# Allegro board PROC048A_BRD.brd (continued)
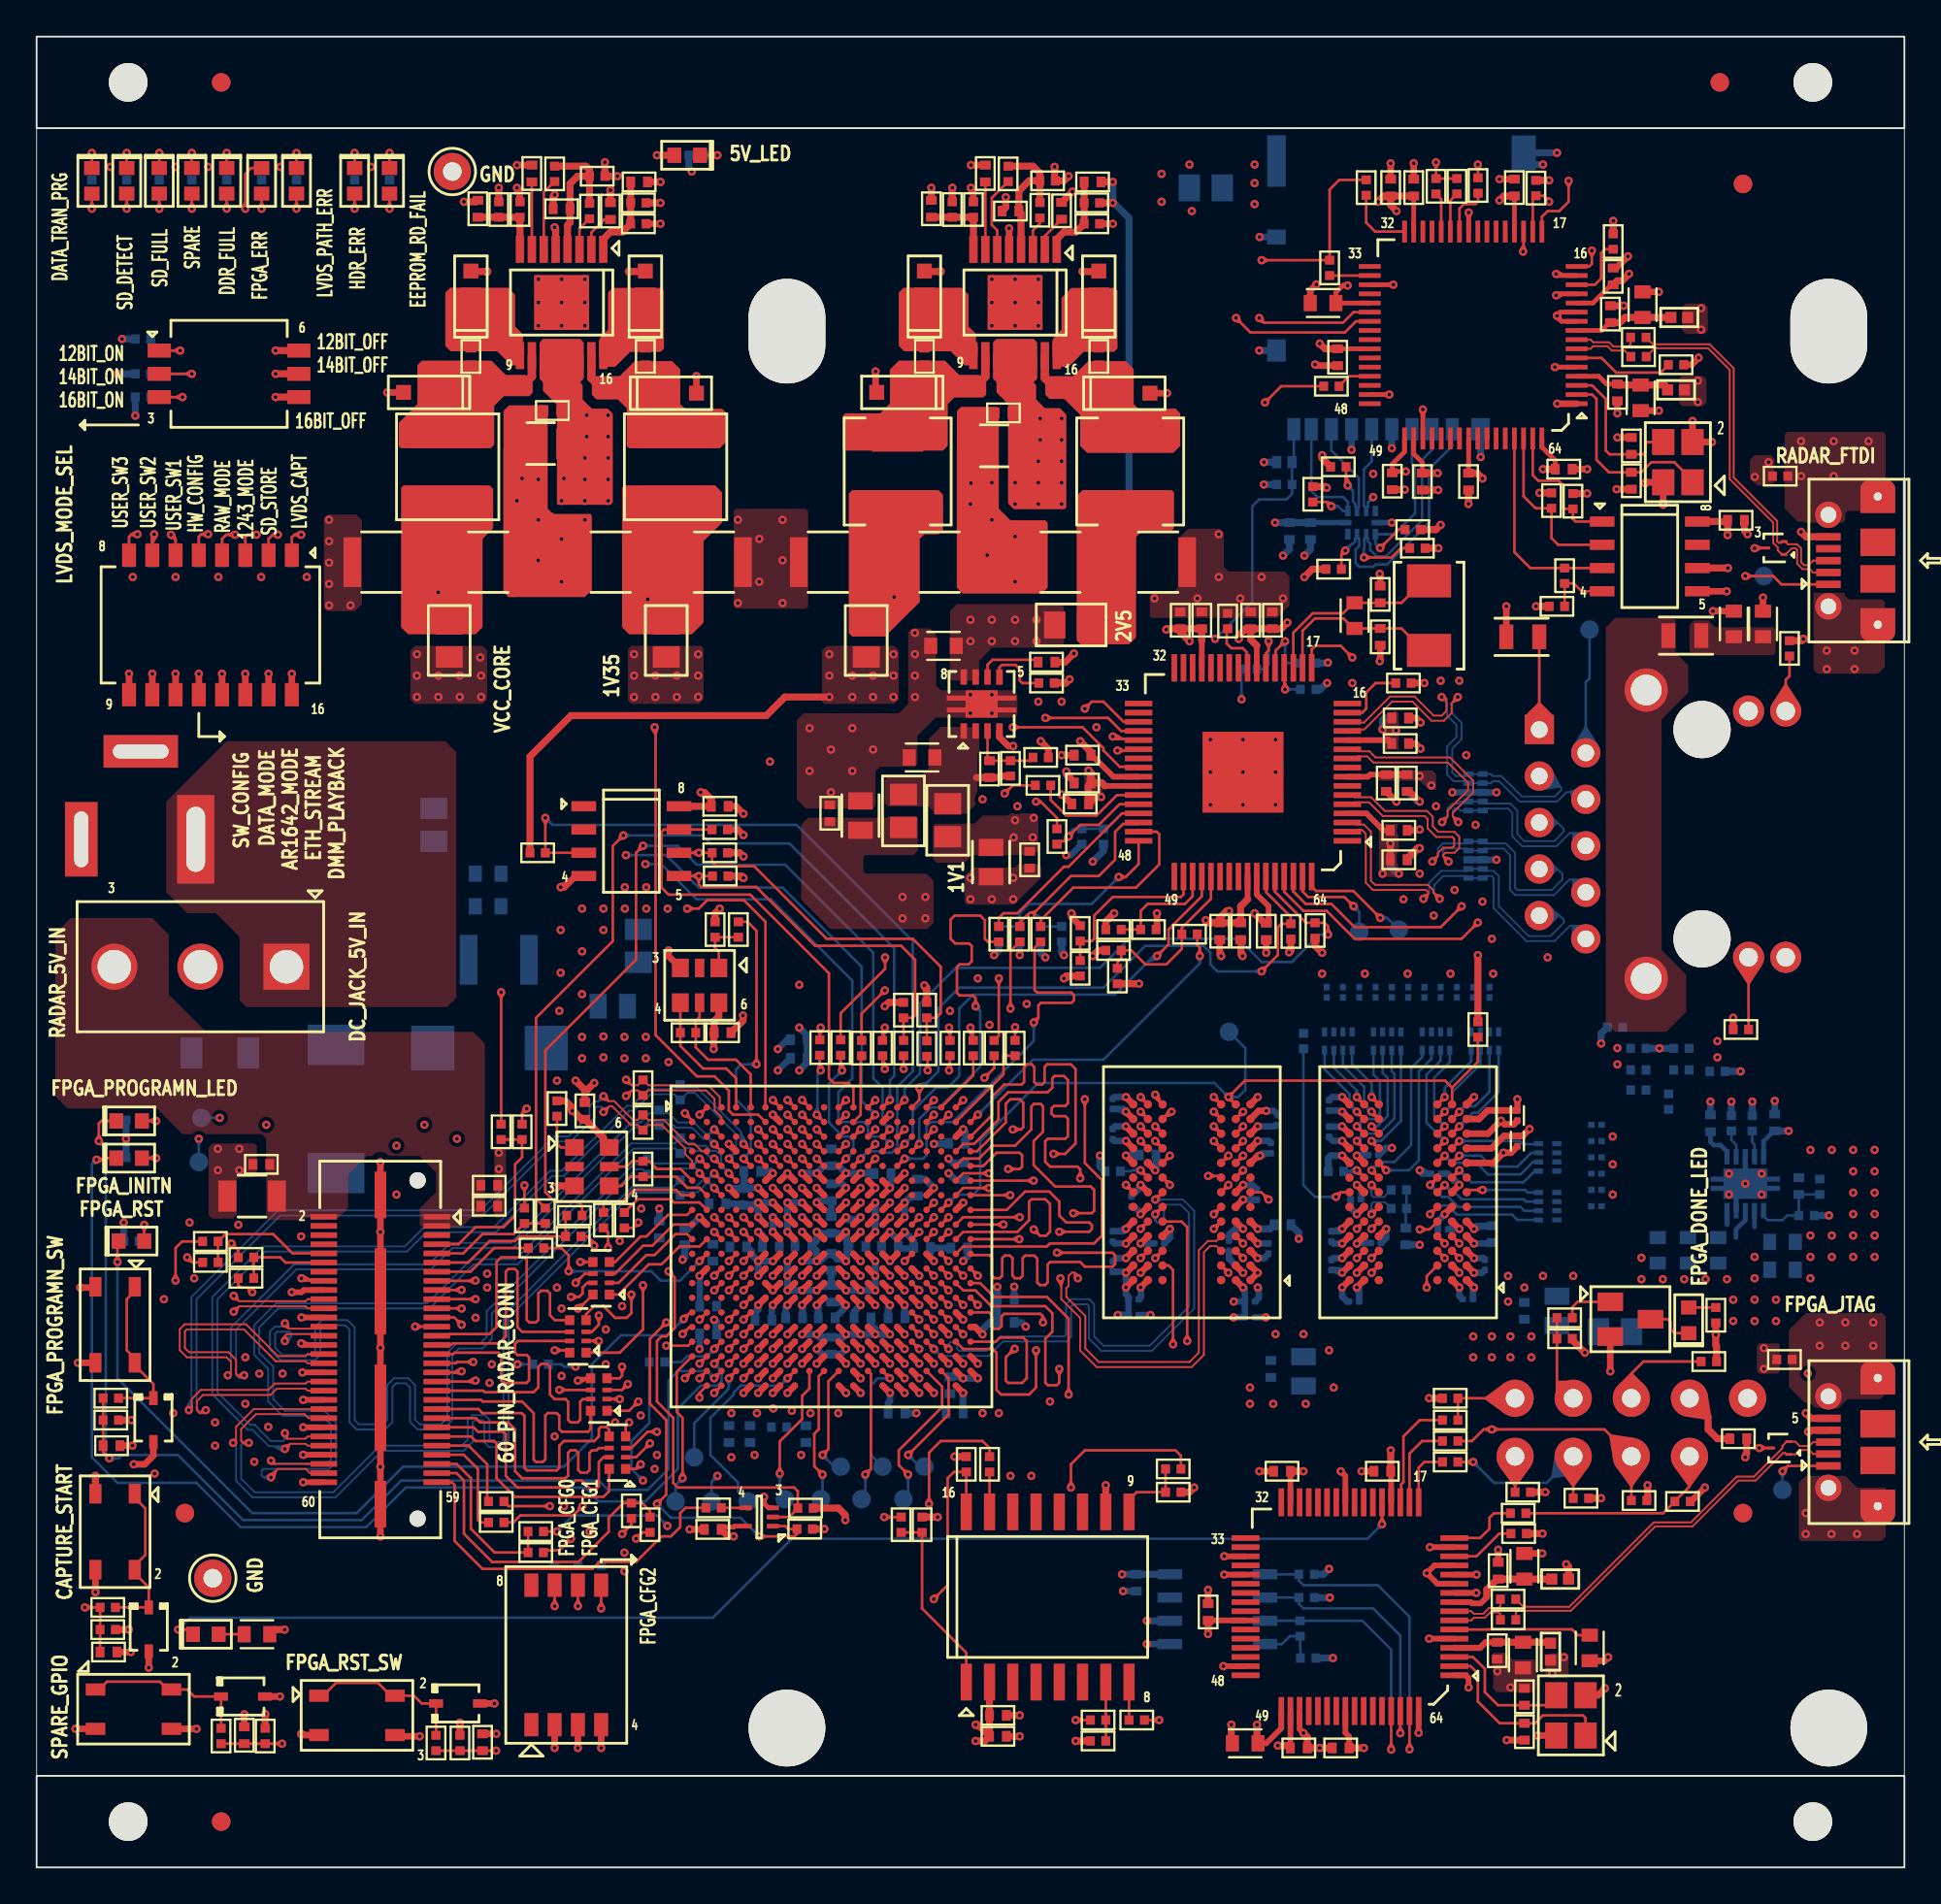
[diagram p0: board, top side]
## Copper pours and planes (outline as drawn; the poured copper is in the pictures) (continued)
1V1 on TOP: 48.94,56.86 48.94,55.07 49.14,54.88 50.68,54.88 51.1,55.29 54.45,55.29 54.7,55.55 54.7,57.45 54.58,57.58 53.18,57.58 53.05,57.45 51.66,57.45 51.22,57.01 49.09,57.01
1V1 on TOP: 73.25,59.99 75.28,59.99 75.41,60.12 76.04,60.12 76.42,59.74 76.42,58.85 76.04,58.85 75.53,59.36 73.25,59.36 73.12,59.48 73.12,59.86
1V1 on BOTTOM: 72.38,63.53 72.61,63.29 72.61,61.9 72.93,61.57 74.19,61.57 74.39,61.77 76.42,61.77 76.55,61.64 76.55,58.97 76.42,58.85 75.66,58.85 75.53,58.97 75.53,59.23 75.41,59.36 73.39,59.36 72.43,58.39 72.43,53.21 70.57,51.35 60.55,51.35 59.53,52.37 59.53,57.32 59.4,57.45 56.48,57.45 56.23,57.2 56.23,56.18 55.85,55.8 49.75,55.8 49.24,56.31 49.24,67.73 50.31,68.79 63.59,68.79 63.92,68.47 63.92,65.13 65.52,63.53 ; 1 cut-out
1V35 on TOP: 36.42,66.59 36.42,63.8 36.16,63.55 32.48,63.55 32.29,63.74 32.29,66.53 32.48,66.72 36.29,66.72
1V35 on BOTTOM: 93.57,36.11 93.57,34.51 93.46,34.4 93.46,32.2 92.24,30.98 86.76,30.98 86.45,30.67 86.45,27.42 86.84,27.03 93.6,27.03 93.97,26.66 95.32,26.66 95.4,26.74 95.4,30.83 95.39,30.84 95.39,31.56 95.09,31.86 95.09,34.72 94.84,34.97 94.33,34.97 94.07,35.23 94.07,36.11 93.95,36.24 93.69,36.24
1V35 on L05_PWR1: 47.08,31.29 47.08,36.5 48.12,37.53 48.12,45.04 46.82,46.33 33.59,46.33 32.61,47.31 32.61,53.85 30.97,55.49 30.97,67.86 31.73,68.62 47.97,68.62 53.61,74.26 99.55,74.26 100.81,73 100.81,42.7 100.98,42.52 100.98,24.96 100.12,24.1 49.62,24.1 48.48,25.24 48.48,28.99 47.1,30.37 47.1,31.27
2V5 on TOP: 74.39,61.01 73.5,61.01 73.5,61.9 73.25,62.15 73.25,62.28 74.14,63.17 74.26,63.17 74.39,63.04
2V5 on TOP: 52.19,66.62 55.89,66.62 56.1,66.84 56.1,68.85 55.94,69.01 50.26,69.01 49.88,68.63 49.88,64.94 50,64.82 51.37,64.82 51.48,64.92 51.48,65.91
2V5 on TOP: 73.25,54.15 73.25,57.07 74.39,57.07 74.39,54.66 74.64,54.4 74.64,54.15 74.52,54.02 73.37,54.02
2V5 on BOTTOM: 73.05,53.66 74.33,53.66 74.5,53.82 74.5,54.47 74.22,54.74 74.22,56.13 74.09,56.27 73.13,56.27 72.94,56.08 72.94,53.77
2V5 on BOTTOM: 30.88,50.92 34.36,50.92 34.77,51.33 34.74,53.51 34.45,53.8 30.92,53.8 30.68,53.56 30.68,51.13
2V5 on L03_SIG1: 48.86,63.8 48.86,72 49.56,72.69 74.03,72.69 74.88,71.84 74.88,53.74 74.33,53.19 63.9,53.19 63.34,53.75 63.34,62.61 62.84,63.11 49.55,63.11
2V5 on L06_PWR2: 49.96,68.31 49.96,65.03 50.36,64.63 63.41,64.63 63.98,65.2 63.98,80.56 63.34,81.2 18.76,81.2 17.56,79.99 17.56,43.04 17.87,42.72 29.94,42.72 30.7,41.96 30.7,35.99 31.72,34.97 40.48,34.97 40.73,35.23 40.73,37.26 39.97,38.02 39.97,50.47 34.38,56.05 34.38,67.99 35.75,69.35 48.91,69.35
2V5_A on TOP (solid shape): 62.11,75.1 62.11,73.15 61.88,72.92 60.29,72.92 60.04,72.66 60.04,67.19 59.66,66.81 57.01,66.81 56.8,67.01 56.8,74.91 57.12,75.23 61.98,75.23
3V3 on TOP (solid shape): 91.45,24.66 91.39,24.5 91.23,24.44 90.11,24.62 90.23,25.66 91.27,25.78
3V3 on TOP: 89.69,81.3 89.69,79.99 89.86,79.82 91,79.82 91.19,80.01 91.19,81.27 91,81.47 89.85,81.47
3V3 on TOP: 82.39,10.59 82.64,10.33 83.53,10.33 83.66,10.46 83.66,11.6 83.53,11.73 82.64,11.73
3V3 on TOP: 90.06,83.76 91.08,83.76 91.27,83.94 91.27,85.25 91.1,85.42 90.06,85.42 89.87,85.23 89.87,83.95
3V3 on TOP: 46.83,63.55 43.02,63.55 42.89,63.67 42.89,66.47 43.15,66.72 46.83,66.72 47.08,66.47 47.08,63.8
3V3 on BOTTOM: 4.57,69.81 4.57,71.26 4.84,71.53 14.77,71.53 15,71.3 15,69.69 14.88,69.57 4.81,69.57
3V3 on BOTTOM: 31.46,15.4 31.46,16.05 31.21,16.3 27.27,16.3 27.15,16.43 27.15,17.45 27.27,17.57 32.23,17.57 32.5,17.3 32.5,15.43 32.4,15.33 31.53,15.33
3V3 on BOTTOM: 2.28,91.84 2.13,91.99 2.13,93.01 2.28,93.16 19.28,93.16 19.28,93.17 20,93.17 20.12,93.05 20.12,92 19.96,91.84
3V3 on L06_PWR2: 1.02,6.02 1.02,93.98 99.3,93.98 100.98,92.3 100.98,6.02
3V3_A on TOP (solid shape): 49.5,74.98 49.5,73.07 49.24,72.82 48.48,72.82 48.23,72.56 48.23,69.11 47.74,68.63 47.73,68.63 46.33,67.23 44.54,67.23 44.35,67.42 44.35,75.04 44.54,75.23 49.24,75.23
5V on TOP (solid shape): 54.58,83.36 54.58,82.95 54.48,82.77 54.45,82.58 54.45,81.1 54.58,80.97 54.58,80.18 55.06,79.7 55.89,79.7 56.23,79.36 56.23,74.29 56.13,74.19 53.36,74.19 53.05,74.5 53.05,79.93 52.42,80.56 52.42,81.18 52.42,81.18 52.42,82.58 52.39,82.77 52.29,82.95 52.29,83.36 52.42,83.49 54.45,83.49
5V on TOP (solid shape): 29.81,83.36 29.81,82.95 29.72,82.77 29.69,82.58 29.69,81.1 29.81,80.97 29.81,80.18 30.32,79.68 31.18,79.68 31.46,79.39 31.46,74.56 31.33,74.43 28.46,74.43 28.42,74.48 28.42,79.89 28.2,80.11 28.2,80.12 28.18,80.12 27.65,80.65 27.65,81.18 27.65,82.58 27.62,82.77 27.53,82.95 27.53,83.36 27.65,83.49 29.69,83.49
5V on BOTTOM: 46.63,57.38 47.72,58.47 47.72,68.2 48.91,69.39 56.36,69.39 57.5,70.53 57.5,92.88 56.61,93.77 38.07,93.77 37.81,93.52 37.81,92.38 37.43,91.99 35.27,91.99 34.89,92.38 34.89,93.65 34.77,93.77 25.62,93.77 24.61,92.76 24.61,90.22 24.1,89.71 19.04,89.71 18.45,89.11 18.45,58.2 19.27,57.38
GND on TOP (solid shape): 52.55,79.68 52.55,74.21 53.18,73.58 55.09,73.58 55.21,73.45 55.21,69.9 54.9,69.58 50.58,69.58 50.25,69.9 50.25,77.43 50.26,77.43 50.26,79.55 50.49,79.77 52.45,79.77
GND on TOP (solid shape): 27.91,79.68 27.91,74.21 28.11,74.01 28.17,74.01 28.25,73.92 30.23,73.92 30.32,73.83 30.32,69.77 29.94,69.39 26.26,69.39 26.25,69.39 25.77,69.39 25.49,69.66 25.49,77.5 25.5,77.5 25.5,79.55 25.8,79.86 27.12,79.86 27.13,79.87 27.72,79.87
GND on TOP: 25.63,39.16 25.52,39.26 25.05,39.26 24.98,39.2 24.98,35.61 25.12,35.48 25.37,35.48 25.63,35.74
GND on TOP: 38.07,74.09 38.07,68.88 38.19,68.75 42,68.75 42.13,68.88 42.13,74.09 42,74.21 38.19,74.21
GND on TOP: 54.67,54.82 54.88,54.62 54.88,54.09 53.38,52.59 50.8,52.59 50.69,52.7 50.69,54.15 51.15,54.61 53.42,54.61 53.63,54.82
GND on TOP: 17.39,68.62 15.85,68.62 15.69,68.78 15.69,73.72 15.86,73.89 17.46,73.89 17.76,73.59 17.76,68.99
GND on TOP: 62.89,73.12 62.32,72.56 62.32,69.9 62.07,69.64 60.95,69.64 60.79,69.49 60.79,68.33 60.88,68.25 67.73,68.25 68.42,68.94 68.42,70.51 68.14,70.79 65.1,70.79 64.84,71.04 64.84,72.9 64.62,73.12
GND on TOP: 10.93,35.65 10.93,37.59 11.06,37.72 11.88,37.72 12.04,37.88 12.04,39.41 11.91,39.54 9.62,39.54 9.39,39.31 9.39,35.64 9.59,35.44 10.72,35.44
GND on TOP: 79.6,11.73 80.23,11.73 80.61,11.35 81.76,11.35 81.88,11.22 81.88,9.7 81.76,9.57 79.72,9.57 79.47,9.83 79.47,11.6
GND on TOP: 95.22,28.49 95.22,27.1 95.09,26.97 94.07,26.97 93.95,27.1 93.95,28.49 94.07,28.62 95.09,28.62
GND on TOP: 94.9,75.68 94.71,75.48 93.95,75.48 93.57,75.87 93.57,76.88 93.82,77.14 94.71,77.14 94.9,76.94
GND on TOP: 47.79,67.68 48.8,67.68 49.12,67.36 49.12,64.56 49.38,64.3 53.32,64.3 53.56,64.05 53.56,62.96 53.4,62.8 49.09,62.8 48.1,61.81 48.1,60.24 47.97,60.12 46.07,60.12 45.81,59.86 45.81,57.97 45.69,57.84 41.99,57.84 41.52,58.31 41.52,62.66 41.89,63.04 47.08,63.04 47.59,63.56 47.59,67.48
GND on BOTTOM: 61.36,89.95 61.01,90.3 61.01,93.1 61.25,93.34 63.27,93.34 63.53,93.07 63.53,90.3 63.19,89.95
GND on BOTTOM: 35.02,34.59 35.91,34.59 36.16,34.34 36.16,33.96 36.29,33.83 37.56,33.83 37.81,33.57 38.19,33.57 38.32,33.7 38.32,33.96 38.83,34.46 40.23,34.46 40.36,34.6 40.36,35.86 40.23,35.99 39.85,35.99 39.72,35.86 39.72,35.73 39.59,35.73 39.46,35.61 39.08,35.61 38.96,35.73 37.05,35.73 36.92,35.86 36.92,36.62 36.54,36.62 36.01,36.09 35.25,36.09 34.64,35.48 34.64,34.97 34.33,34.66 33.56,34.66 33.5,34.72 33.5,36.11 33.37,36.24 32.61,36.24 31.59,35.23 31.59,33.83 32.23,33.19 34.51,33.19 34.77,33.45 34.77,34.34
GND on BOTTOM: 70.07,48.04 79.66,48.04 79.81,48.18 79.81,49.18 79.71,49.27 70.05,49.27 69.94,49.16 69.94,48.17
GND on BOTTOM: 84.16,32.59 84.26,32.49 84.26,30.99 84.01,30.73 82.34,30.73 82.18,30.58 80.34,30.58 80.09,30.83 80.09,32.47 80.21,32.59
GND on BOTTOM: 95.6,32.08 95.6,34.72 98.01,34.72 98.46,35.17 98.46,37.24 98.32,37.38 95.6,37.38 95.34,37.13 95.34,37 94.93,36.59 91.49,36.59 91.28,36.8 91.28,38.02 91.37,38.1 94.7,38.1 94.97,38.38 94.97,39.16 95.42,39.61 100.37,39.61 100.73,39.25 100.73,32.15 100.31,31.73 95.95,31.73
GND on BOTTOM: 87.51,33.53 87.97,33.53 88.15,33.35 92.45,33.35 92.58,33.23 92.58,32.05 92.31,31.78 87.39,31.78 87.28,31.89 87.28,33.31
GND on BOTTOM: 86.1,35.89 86.47,36.26 86.47,40.8 86.33,40.95 85.5,40.95 85.41,40.86 85.41,35.92 85.45,35.89
GND on BOTTOM: 37.5,22.06 37.36,22.2 37.36,23.33 37.44,23.4 39.19,23.4 39.43,23.16 41.37,23.16 41.66,23.46 42.23,23.46 42.35,23.46 42.43,23.37 42.43,22.28 42.21,22.06
GND on BOTTOM: 23.08,40.81 26.38,44.12 26.38,50.21 25,51.6 25,54.79 25.25,55.04 29.94,55.04 30.17,54.81 30.17,48.96 31.14,47.99 31.14,46.37 31.04,46.27 30.45,46.27 30.19,46.02 30.19,43.61 30.7,43.1 30.7,41.83 29.18,40.31 28.03,40.31 24.1,36.37 10.05,36.37 9.62,36.8 9.62,39.92 10.51,40.81
GND on BOTTOM: 42,41.19 42.39,41.19 43.78,39.8 43.78,39.04 43.66,38.91 43.02,38.91 43.02,38.65 42.64,38.27 42,38.27 41.88,38.15 41.88,37.77 42,37.64 42.77,37.64 42.77,37 42.64,36.88 39.21,36.88 39.18,36.85 37.66,36.85 37.58,36.93 37.58,37.28 37.72,37.42 38.19,37.42 38.3,37.53 38.3,38.23 38.39,38.32 38.83,38.32 38.87,38.28 38.87,37.55 38.94,37.48 39.9,37.48 39.97,37.56 39.97,38.65 39.21,39.42 39.21,45.13 39.72,45.64 41.24,45.64 41.37,45.51 41.37,42.59 41.62,42.34 41.62,41.58
GND on BOTTOM: 65.95,26.97 68.23,26.97 68.41,26.8 71.37,26.8 71.51,26.65 71.51,24.2 71.13,23.82 66.25,23.82 65.81,24.27 65.81,26.83
GND on BOTTOM: 50.01,78.66 51.4,78.66 51.53,78.53 51.53,76.88 52.55,75.87 52.55,75.36 52.42,75.23 50.01,75.23 49.75,75.48 49.75,78.41
GND on BOTTOM: 25.37,78.79 26.64,78.79 26.89,78.53 26.89,76.75 27.65,75.99 27.65,75.61 27.4,75.36 25.37,75.36 24.99,75.74 24.99,78.41
GND on L02_GND1, L07_GND3: 1.02,6.02 1.02,93.98 100.98,93.98 100.98,6.02
GND on L04_GND2: 1.02,6.02 1.02,93.98 100.98,93.98 100.98,6.02
GND on L05_PWR1: 1.02,6.02 1.02,23.03 100.98,23.03 100.98,6.02
GND on L05_PWR1: 1.02,76.88 1.02,93.98 100.98,93.98 100.98,75.48 53.43,75.48 47.59,69.64 34.77,69.64 28.8,75.61 2.29,75.61 ; 1 cut-out
GND on L09_GND4: 1.02,6.02 1.02,93.98 100.98,93.98 100.98,6.02
GND_EARTH on TOP: 90.52,68.12 91.28,68.12 91.66,67.74 94.84,67.74 94.96,67.61 94.96,66.34 94.84,66.21 90.52,66.21 90.26,66.47 90.26,67.86
GND_SDCD on BOTTOM: 64.18,93.79 64.38,93.98 67.96,93.98 68.23,93.72 68.23,90.97 67.8,90.55 64.54,90.55 64.18,90.9
GND_SDCD on L03_SIG1: 66.01,93.9 85.05,93.9 85.54,93.41 85.54,77.21 84.86,76.54 66.89,76.54 65.65,77.77 65.65,93.54
VCC5V_CONN on TOP: 20.92,35.1 20.92,35.99 21.81,36.88 21.81,37.94 20.89,38.86 18.04,38.86 17.01,37.84 17.01,36.02 16.48,35.48 14.7,35.48 14.57,35.35 12.67,35.35 12.54,35.48 12.54,39.8 12.29,40.05 7.97,40.05 6.57,41.45 1.69,41.45 1.02,42.12 1.02,51.01 1.88,51.86 6.31,51.86 7.22,50.95 7.22,47.68 9.26,45.64 23.84,45.64 24.48,45 24.48,35.61 24.35,35.48 23.72,35.48 23.21,34.97 21.05,34.97
VCC5V_EXT on TOP: 22.4,46.99 22.92,47.51 22.92,60.91 22.32,61.51 10.38,61.51 7.08,58.21 7.08,53.26 8.21,52.13 9.78,52.13 11.09,50.82 11.09,47.37 11.48,46.99
VCC_1V1 on TOP (solid shape): 24.93,75.29 24.93,73.14 24.35,72.56 24.35,67.74 23.97,67.36 20.29,67.36 19.91,67.74 19.91,75.36 20.03,75.48 24.73,75.48
VCC_AUX on BOTTOM: 35.23,49.45 35.23,44.1 34.69,43.56 31.04,43.56 30.73,43.87 30.73,45.6 30.81,45.67 31.7,45.67 31.82,45.79 31.82,48.4 31.31,48.9 31.31,49.7 31.58,49.97 34.71,49.97
VCC_AUX on L08_SIG2: 41.24,37.64 45.2,37.64 46.88,39.32 46.88,39.89 47.37,40.38 48.78,40.38 49.39,39.78 49.39,39.46 48.94,39 48.94,38.19 47.97,37.22 47.97,36.86 47.66,36.55 47.66,34.11 47.97,33.8 47.97,27.75 48.68,27.04 50.04,27.04 50.39,26.7 50.39,25.57 49.88,25.07 41.75,25.07 41.24,25.57 41.24,29.38 40.86,29.76 39.34,29.76 38.96,30.15 38.96,31.54 38.32,31.54 37.31,32.56 34.51,32.56 31.97,35.1 29.18,35.1 27.53,36.75 27.53,43.73 28.67,44.88 29.87,44.88 30.7,45.7 36.04,45.7 39.24,42.5 39.24,39.64
VCC_CORE on TOP: 24.61,66.47 24.61,63.8 24.35,63.55 20.67,63.55 20.41,63.8 20.41,66.47 20.67,66.72 24.35,66.72
VCC_CORE on BOTTOM: 40.86,36.24 40.86,34.35 40.67,34.16 40.32,34.16 40.32,33.5 40.48,33.33 40.48,32.94 39.59,32.05 39.21,32.05 39.08,32.18 39.08,32.56 38.83,32.81 37.81,32.81 37.31,33.32 36.67,33.32 36.42,33.07 36.42,32.18 36.8,31.8 36.8,30.27 36.92,30.15 37.56,30.15 37.81,29.89 38.45,29.89 38.96,30.4 38.96,30.65 39.21,30.91 45.69,30.91 46.07,31.29 46.07,33.07 46.32,33.32 46.32,34.59 46.07,34.84 46.07,36.5 45.94,36.62 41.24,36.62
VCC_CORE on L05_PWR1: 46.07,31.5 45.58,31.02 36.46,31.02 35.9,30.46 35.9,26.2 34.38,24.68 2.38,24.68 1.49,25.57 1.49,73.2 2.63,74.34 28.29,74.34 29.5,73.14 29.5,55.36 31.6,53.25 31.6,46.69 33.02,45.27 46.13,45.27 47.08,44.31 47.08,38.27 46.07,37.26
VCCHTX on TOP: 45.27,54.28 48.61,54.28 48.99,53.89 48.99,51.61 48.63,51.25 43.36,51.25 41.75,52.86 41.75,56.95 42.13,57.33 46.44,57.33 46.5,57.39 48.03,57.39 48.13,57.29 48.13,55.55 47.87,55.29 45.26,55.29 45.16,55.19 45.16,54.39
VCCHTX on BOTTOM: 39.39,23.93 39.64,23.68 40.18,23.68 40.3,23.8 40.3,24.59 40.44,24.73 40.44,25.36 40.35,25.45 37.99,25.45 37.3,24.75 37.3,24.05 37.42,23.93
VCCHTX on L03_SIG1: 37.58,24.84 37.94,25.19 38.07,25.19 38.83,25.95 38.83,29.64 39.34,30.15 39.34,36.5 39.79,36.95 42.96,36.95 43.47,37.45 43.47,38.09 43.94,38.55 44.43,38.55 45.09,39.21 45.09,39.99 46.07,40.97 46.07,42.09 46.33,42.35 46.33,44.75 46.76,45.18 46.76,55.71 47.07,56.03 55.44,56.03 56.07,55.4 56.07,48.12 54.24,46.29 54.24,43.89 50.72,40.37 50.72,37.65 50.51,37.44 48.96,37.44 48.16,36.65 48.16,25.96 48.96,25.17 48.96,23.29 48.68,23.01 37.8,23.01 37.58,23.23
VCCHTX_1V1 on TOP: 48.74,61.65 48.74,60.07 48.26,59.6 46.52,59.6 46.32,59.4 46.32,58.13 46.51,57.95 48.71,57.95 49.11,57.54 50.77,57.54 51.29,58.07 51.29,58.67 51.38,58.76 51.38,60.83 51.48,60.92 51.48,62.17 51.34,62.3 49.38,62.3
VCCHTX_C on BOTTOM: 41.05,25.19 40.82,24.96 40.82,23.81 40.88,23.75 41.24,23.75 41.46,23.96 43.95,23.96 44.04,24.05 44.04,24.94 43.78,25.19
VCCHTX_C on L05_PWR1: 47.08,28.95 46.25,29.78 37.79,29.78 37.31,29.3 37.31,24.56 38.07,23.8 46.2,23.8 47.08,24.68
(no net) on TOP: 50.25,69.9 50.58,69.58 54.9,69.58 55.21,69.9 55.21,73.45 55.09,73.58 53.18,73.58 52.55,74.21 52.55,79.68 52.45,79.77 50.49,79.77 50.25,79.54
(no net) on TOP: 26.26,69.39 29.94,69.39 30.32,69.77 30.32,73.83 30.15,74.01 28.11,74.01 27.91,74.21 27.91,79.8 27.84,79.87 25.81,79.87 25.49,79.55 25.49,69.66 25.77,69.39 26.25,69.39
(no net) on TOP: 27.4,83.23 27.4,81.58 27.65,81.33 27.65,80.65 28.42,79.89 28.42,74.48 28.46,74.43 31.33,74.43 31.46,74.56 31.46,79.39 31.18,79.68 30.32,79.68 29.81,80.18 29.81,83.36 29.69,83.49 27.65,83.49
(no net) on TOP: 30.57,80.18 30.32,80.44 30.32,81.33 30.45,81.45 31.84,81.45 32.67,82.28 34.71,82.28 35.15,81.83 35.15,79.93 35.4,79.68 37.43,79.68 37.69,79.42 37.69,77.9 37.31,77.52 32.35,77.52 32.23,77.64 32.23,79.7 31.74,80.18
(no net) on TOP: 56.98,79.35 56.15,80.18 55.34,80.18 55.09,80.44 55.09,81.33 55.21,81.45 56.61,81.45 57.43,82.28 59.47,82.28 59.91,81.83 59.91,79.93 60.17,79.68 62.2,79.68 62.45,79.42 62.45,77.64 62.07,77.26 57.37,77.26 56.99,77.64 56.99,79.04
(no net) on TOP: 48.23,69.11 48.23,72.56 48.48,72.82 49.24,72.82 49.5,73.07 49.5,74.98 49.24,75.23 44.54,75.23 44.35,75.04 44.35,67.42 44.54,67.23 46.33,67.23 47.73,68.63 47.74,68.63
(no net) on TOP: 57.12,75.23 61.98,75.23 62.11,75.1 62.11,73.15 61.88,72.92 60.29,72.92 60.04,72.66 60.04,67.19 59.66,66.81 57.01,66.81 56.8,67.01 56.8,74.91
(no net) on TOP: 32.1,75.48 37.05,75.48 37.43,75.1 37.43,73.45 36.42,72.44 36.42,67.99 35.78,67.36 32.35,67.36 31.97,67.74 31.97,75.36
(no net) on TOP: 47.35,86.28 50.51,86.28 50.89,85.9 50.89,84.16 51.3,83.76 51.3,82.16 51.18,82.04 50.69,82.04 49.92,82.81 47.38,82.81 47.08,83.1 47.08,86.02
(no net) on TOP: 22.58,86.28 25.75,86.28 26.13,85.9 26.13,84.16 26.56,83.73 26.56,82.19 26.41,82.04 25.92,82.04 25.15,82.81 22.61,82.81 22.32,83.1 22.32,86.02
(no net) on TOP: 55.72,81.96 56.36,81.96 57.18,82.78 58.84,82.78 59.02,82.96 59.02,86.14 58.89,86.27 56.51,86.27 55.97,85.73 55.97,83.99 55.47,83.49 55.47,82.22
(no net) on TOP: 49.75,77.64 49.75,79.93 50.11,80.29 51.7,80.29 51.86,80.45 51.86,81.13 51.47,81.52 50.38,81.52 49.6,82.3 47.08,82.3 46.6,81.81 46.6,79.95 46.07,79.42 44.16,79.42 44.04,79.29 44.04,77.52 44.16,77.39 49.5,77.39
(no net) on TOP: 20.8,82.05 20.8,79.93 19.78,78.91 19.78,77.64 19.91,77.52 24.79,77.52 24.99,77.71 24.99,79.84 25.52,80.36 26.9,80.36 27.09,80.55 27.09,81.13 26.7,81.52 25.62,81.52 24.84,82.3 21.04,82.3
(no net) on TOP: 52.16,83.23 52.16,81.58 52.42,81.33 52.42,80.56 53.05,79.93 53.05,74.5 53.36,74.19 56.13,74.19 56.23,74.29 56.23,79.36 55.89,79.7 55.06,79.7 54.58,80.18 54.58,83.36 54.45,83.49 52.42,83.49
(no net) on TOP: 30.96,81.96 31.59,81.96 32.41,82.78 34.08,82.78 34.26,82.96 34.26,86.14 34.12,86.27 31.45,86.27 31.21,86.03 31.21,83.99 30.7,83.49 30.7,82.22
(no net) on TOP: 24.35,67.74 24.35,72.56 24.93,73.14 24.93,75.29 24.73,75.48 20.03,75.48 19.91,75.36 19.91,67.74 20.29,67.36 23.97,67.36
BST1_REGA on TOP (solid shape): 35.15,81.83 35.15,79.93 35.4,79.68 37.43,79.68 37.69,79.42 37.69,77.9 37.31,77.52 32.35,77.52 32.23,77.64 32.23,79.7 31.74,80.18 30.57,80.18 30.32,80.44 30.32,81.33 30.45,81.45 31.84,81.45 32.67,82.28 34.71,82.28
BST1_REGB on TOP (solid shape): 59.91,81.83 59.91,79.93 60.17,79.68 62.2,79.68 62.45,79.42 62.45,77.64 62.07,77.26 57.37,77.26 56.99,77.64 56.99,79.04 56.98,79.35 56.15,80.18 56.12,80.18 56.1,80.21 55.31,80.21 55.09,80.44 55.09,81.33 55.21,81.45 56.61,81.45 57.43,82.28 59.47,82.28
BST2_REGA on TOP (solid shape): 25.62,81.52 26.7,81.52 27.09,81.13 27.09,80.55 26.9,80.36 25.52,80.36 24.99,79.84 24.99,77.71 24.79,77.52 19.91,77.52 19.78,77.64 19.78,78.91 20.8,79.93 20.8,82.05 21.04,82.3 24.84,82.3
BST2_REGB on TOP (solid shape): 50.38,81.52 51.47,81.52 51.86,81.13 51.86,80.45 51.7,80.29 50.11,80.29 49.75,79.93 49.75,77.64 49.5,77.39 44.16,77.39 44.04,77.52 44.04,79.29 44.16,79.42 46.07,79.42 46.6,79.95 46.6,81.81 47.08,82.3 49.6,82.3
DDR3_VDD on BOTTOM: 85.92,30.01 85.92,27.66 85.73,27.48 78.24,27.48 64.77,27.48 64.47,27.78 64.47,31.56 64.85,31.94 65.82,31.94 66.1,31.67 66.1,29.66 66.1,29.57 66.17,29.5 66.87,29.5 67.49,30.12 85.81,30.12
DDR3_VDD on L06_PWR2: 73.46,26.95 72.29,25.77 59.2,25.77 58.01,26.97 58.01,43.98 59.02,45 80.66,45 81.95,43.71 81.95,27.26 81.64,26.95
DDR3_VREF on BOTTOM: 89.07,38.83 91.65,38.83 91.83,39.01 91.83,40.31 91.69,40.45 90.31,40.45 90.11,40.65 90.11,41.48 89.96,41.64 88.91,41.64 88.84,41.57 88.84,39.06
DDR3_VTT on BOTTOM: 91.1,36.23 91.8,35.54 91.8,35.44 92.05,35.18 92.98,35.18 93.06,35.1 93.06,34.72 92.93,34.58 92.93,34.21 92.79,34.08 87.33,34.08 86.36,33.11 83.22,33.11 82.76,33.57 82.76,44.67 82.05,45.38 70.09,45.38 70.02,45.31 68.32,45.31 68.07,45.56 68.07,47.2 68.4,47.54 80.43,47.54 80.43,47.53 84.6,47.53 84.79,47.34 84.79,42.93 84.93,42.79 87.23,42.79 87.27,42.74 87.27,41.63 87.1,41.46 86.88,41.46 86.87,41.48 85.15,41.48 84.91,41.23 84.91,35.55 85.07,35.38 86.31,35.38 87.17,36.23 87.59,36.23 87.59,36.23
DDR_1V35 on TOP (solid shape): 37.43,75.1 37.43,73.45 36.42,72.44 36.42,67.99 35.78,67.36 32.35,67.36 31.97,67.74 31.97,75.36 32.1,75.48 37.05,75.48
ECP5U_VREF on BOTTOM: 52.67,23.03 52.93,23.29 52.93,24.94 52.76,25.11 50.58,25.11 50.24,25.45 50.24,26.98 49.98,27.24 49.16,27.24 48.77,27.63 48.77,28.4 48.77,29.22 48.77,29.22 48.88,29.33 50.16,29.33 50.27,29.44 50.27,31.06 50.14,31.19 48.08,31.19 47.92,31.02 47.92,29.65 46.78,28.52 46.78,25.8 47.22,25.37 47.97,25.37 48.23,25.11 48.23,23.54 48.74,23.03
ECP5U_VREF on BOTTOM: 90.04,45.22 90.04,44.34 90.07,44.31 90.07,43.16 90.22,43.01 91.51,43.01 91.59,43.1 91.59,43.91 91.68,44 91.99,44 92.09,44.11 92.09,45.23 91.92,45.4 90.21,45.4
ECP5U_VREF on L03_SIG1: 79.38,45.87 93.45,45.87 93.47,45.85 95.49,45.85 96.23,45.11 96.23,39.92 95.72,39.42 93.19,39.42 92.3,38.53 92.3,18.29 91.87,17.86 51.11,17.86 50.64,18.33 50.64,25.32 50.89,25.57 54.45,25.57 55.34,24.68 76,24.68 78.89,27.57 78.89,45.38
ECP5U_VREF on L06_PWR2: 45.17,31.02 45.17,25.82 47.06,23.92 53.05,23.92 53.43,24.3 53.43,26.08 52.93,26.59 49.5,26.59 48.74,27.35 48.74,30.78 48.23,31.29 45.43,31.29
FTDI1_VDD_1V8 on L05_PWR1: 63.59,6.27 62.62,7.25 62.62,15.62 64.19,17.19 78.2,17.19 80.49,14.91 80.49,7.89 78.87,6.27
FTDI2_VCORE on L05_PWR1: 71.98,87.68 91.28,87.68 92.42,86.53 92.42,75.8 91.89,75.26 72.71,75.26 71.34,76.63 71.34,87.04
FTDI_JTAG_TCK on TOP (solid shape): 91.09,21.85 90.32,20.8 90.26,20.77 90.21,20.8 89.44,21.85 90.26,22.47
FTDI_JTAG_TCK on L08_SIG2 (solid shape): 89.05,23.6 89.07,23.65 89.12,23.66 90.42,23.45 90.27,22.44 89.26,22.29
FTDI_JTAG_TDI on TOP (solid shape): 84.74,21.85 83.97,20.8 83.91,20.77 83.86,20.8 83.09,21.85 83.91,22.47
FTDI_JTAG_TDI on BOTTOM (solid shape): 83.93,22.46 84.07,21.45 82.79,21.24 82.73,21.26 82.71,21.32 82.91,22.61
FTDI_JTAG_TDO on TOP (solid shape): 85.88,23.58 85.9,23.64 85.96,23.66 87.25,23.45 87.1,22.44 86.09,22.29
FTDI_JTAG_TDO on TOP (solid shape): 87.91,21.85 87.15,20.8 87.09,20.77 87.03,20.8 86.27,21.85 87.09,22.47
FTDI_JTAG_TMS on TOP (solid shape): 80.76,25.62 80.14,24.8 79.09,25.57 79.06,25.62 79.09,25.68 80.14,26.45
FTDI_JTAG_TMS on L08_SIG2 (solid shape): 80.75,25.62 80.02,24.92 79.36,25.59 79.34,25.62 79.36,25.66 80.02,26.33
INITN on TOP (solid shape): 87.04,27.01 87.09,27.03 87.14,27.01 87.81,26.34 87.09,25.61 86.37,26.34
INITN on L08_SIG2 (solid shape): 87.1,25.62 86.37,24.92 85.71,25.59 85.69,25.62 85.71,25.66 86.37,26.33
MEM_VREF on BOTTOM: 87.28,43.99 87.22,43.93 87.22,43.37 87.14,43.29 86.1,43.29 86,43.39 86,44.98 86.36,45.34 86.36,46.33 86.54,46.51 87.15,46.51 87.28,46.38
MEM_VREF on L05_PWR1: 60.55,44.62 60.55,34.59 61.31,33.83 85.44,33.83 87.09,35.48 87.09,44.62 86.58,45.13 61.05,45.13
PROGRAMN on TOP (solid shape): 81.56,21.85 80.8,20.8 80.74,20.77 80.68,20.8 79.92,21.85 80.74,22.47
PROGRAMN on L08_SIG2 (solid shape): 80.75,22.46 80.9,21.45 79.59,21.24 79.54,21.25 79.53,21.3 79.74,22.61
N35698 on TOP: 90.19,65.66 90.19,64.16 88.74,62.71 88.74,50.1 90.09,48.76 90.09,46.73 88.99,45.64 86.2,45.64 85.69,46.15 85.69,67.74 86.2,68.25 89.38,68.25 89.5,68.12 89.5,66.35
N35954 on TOP (solid shape): 82.02,63.64 82.06,63.65 82.11,63.64 82.79,62.95 82.06,62.13 81.33,62.95
N15283211 on TOP (solid shape): 26.13,85.9 26.13,84.16 26.56,83.73 26.56,83.57 26.56,83.57 26.56,82.95 26.47,82.77 26.44,82.58 26.44,82.07 26.41,82.04 25.92,82.04 25.15,82.81 22.61,82.81 22.32,83.1 22.32,86.02 22.58,86.28 25.75,86.28
N15283215 on TOP (solid shape): 34.26,86.14 34.26,82.96 34.08,82.78 32.41,82.78 31.59,81.96 30.96,81.96 30.9,82.01 30.9,82.58 30.87,82.77 30.78,82.95 30.78,83.56 31.21,83.99 31.21,86.03 31.45,86.27 34.12,86.27
N15294700 on TOP (solid shape): 59.02,86.14 59.02,82.96 58.84,82.78 57.18,82.78 56.36,81.96 55.72,81.96 55.67,82.01 55.67,82.58 55.64,82.77 55.54,82.95 55.54,83.56 55.97,83.99 55.97,85.73 56.51,86.27 58.89,86.27
N15294712 on TOP (solid shape): 50.89,85.9 50.89,84.16 51.3,83.76 51.3,82.91 51.23,82.75 51.2,82.58 51.2,82.07 51.18,82.04 50.69,82.04 49.92,82.81 47.38,82.81 47.08,83.1 47.08,86.02 47.35,86.28 50.51,86.28
N15354055 on BOTTOM: 87.73,42.61 87.73,43.81 87.8,43.88 89.5,43.88 89.56,43.82 89.56,42.21 89.4,42.06 88.8,42.06 88.8,42.05 88.75,42.05 88.53,41.83 87.86,41.83 87.71,41.98 87.71,42.6
N15385918 on TOP: 96.61,30.27 100.81,30.27 100.98,30.1 100.98,25.88 100.68,25.57 98.9,25.57 98.39,25.07 96.87,25.07 95.7,26.24 95.7,29.36
N15385918 on TOP: 96.36,17.83 96.23,17.95 96.23,21 96.61,21.38 98.77,21.38 99.41,20.75 100.98,20.75 100.98,18.08 100.73,17.83
N15385918 on BOTTOM, L03_SIG1, L08_SIG2: 96.36,17.7 95.98,18.08 95.98,29.64 96.61,30.27 100.93,30.27 100.98,30.22 100.98,18 100.68,17.7
N15394548 on TOP: 97.19,70.4 98.6,70.4 98.75,70.26 98.75,69.47 98.96,69.26 100.8,69.26 100.93,69.13 100.93,65.58 100.55,65.2 97.25,65.2 97.04,65.41 97.04,70.25
N15394548 on TOP: 95.46,78.27 95.6,78.41 100.86,78.41 100.98,78.28 100.98,74.51 100.55,74.09 98.9,74.09 98.77,73.96 98.77,73.58 98.65,73.45 96.23,73.45 95.46,74.23
N15394548 on BOTTOM: 95.34,78.52 95.73,78.91 100.68,78.91 100.93,78.66 100.93,65.58 100.42,65.07 95.47,65.07 95.34,65.2
N15394548 on L03_SIG1: 100.98,78.28 100.98,65.76 100.42,65.2 95.73,65.2 95.34,65.58 95.34,78.15 95.6,78.41 100.86,78.41
N15394548 on L08_SIG2: 95.34,78.52 95.73,78.91 100.68,78.91 100.93,78.66 100.93,65.45 100.55,65.07 95.47,65.07 95.34,65.2
N16279120 on BOTTOM: 24.31,56.65 24.31,44.45 21.94,42.08 11.19,42.08 10.94,42.34 10.94,45.69 12.43,47.18 15.72,47.18 17.08,48.55 17.08,56.16 17.67,56.75 24.21,56.75
N16279144 on BOTTOM: 6.51,51.72 11.24,51.72 11.61,51.35 11.61,47.89 9.75,46.02 9.75,42.08 9.44,41.78 5.07,41.78 4.55,42.31 4.55,46.79 6.12,48.36 6.12,51.33
DONE on L08_SIG2 (solid shape): 83.93,25.62 83.2,25.05 82.66,25.59 82.64,25.62 82.66,25.66 83.2,26.2
ETH_D0P on BOTTOM (solid shape): 83.18,52.03 83.2,51.99 83.18,51.95 82.61,51.41 82.05,51.99 82.61,52.57
ETH_D1P on BOTTOM (solid shape): 83.09,54.57 83.1,54.53 83.09,54.49 82.63,54.03 82.05,54.53 82.63,55.03
ETH_D2P on BOTTOM (solid shape): 83.09,57.11 83.1,57.07 83.09,57.03 82.63,56.57 82.05,57.07 82.63,57.57
ETH_D3P on BOTTOM (solid shape): 83.25,59.06 83.25,59.02 83.21,58.99 82.19,58.82 82.05,59.62 82.77,59.98
LED_ACTN on L08_SIG2 (solid shape): 96.23,49.25 95.57,48.21 95.52,48.19 95.48,48.21 94.81,49.25 95.52,49.72
LED_LINKN on L08_SIG2 (solid shape): 93.45,64.65 93.49,64.68 93.54,64.65 94.2,63.62 93.49,63.15 92.78,63.62
N35962 on TOP (solid shape): 94.2,49.25 93.55,48.24 93.49,48.21 93.43,48.24 92.78,49.25 93.49,49.73
N36046 on TOP (solid shape): 95.46,64.64 95.52,64.67 95.58,64.64 96.23,63.62 95.52,63.14 94.81,63.62
N15683813 on BOTTOM (solid shape): 84.54,62.31 84.6,62.35 84.66,62.31 85.28,61.3 84.6,60.86 83.92,61.3

Small or netless copper shapes (teardrops, artwork), in the pictures only: 518 on TOP, 237 on BOTTOM, 176 on L03_SIG1, 191 on L08_SIG2

## Text on the board
Ref Des/Assembly Bottom: ASSEMBLY BOTTOM
Ref Des/Silkscreen Bottom: GND | DDR3_RSTN | FPGA_DONE | FPGA_JTAG_TMS | FPGA_INITN | ETHERNET_JACK | 5V_INPUT | 5V | ETH_LED_SPEED | ETH_1V8 | PROGRAMN | SDCARD_SLOT | FPGA_JTAG_TDI | FPGA_JTAG_TDO | FPGA_JTAG_TCK | 3V3 | REV. A | PROC048 | DCA1000EVM | S/N: | FY180266000102 | not FCC approved for resale. | For evaluation only;
User.Comments: CR_1_2 | PROC048 | TEXAS INSTRUMENTS
Ref Des/Assembly Top: ASSEMBLY TOP
Ref Des/Silkscreen Top: 6 | 12BIT_ON | 14BIT_ON | 16BIT_ON | 16BIT_OFF | 12BIT_OFF | 14BIT_OFF | DATA_TRAN_PRG | USER_SW3 | SD_DETECT | USER_SW2 | SD_FULL | USER_SW1 | SPARE | HW_CONFIG | RAW_MODE | DDR_FULL | 1243_MODE | FPGA_ERR | SD_STORE | LVDS_CAPT | LVDS_PATH_ERR | HDR_ERR | EEPROM_RD_FAIL | FPGA_CFG0 | FPGA_CFG1 | FPGA_CFG2 | FPGA_PROGRAMN_LED | FPGA_INITN | FPGA_RST | FPGA_RST_SW | GND | 5V_LED | RADAR_FTDI | FPGA_JTAG | FPGA_PROGRAMN_SW | RADAR_5V_IN | SPARE_GPIO | LVDS_MODE_SEL | CAPTURE_START | SW_CONFIG | DATA_MODE | AR1642_MODE | ETH_STREAM | DMM_PLAYBACK | DC_JACK_5V_IN | VCC_CORE | 60_PIN_RADAR_CONN | 1V35 | 1V1 | 2V5 | FPGA_DONE_LED
User.5: 12. | 13. | 14. | 11. | MINIMUM TRACEWIDTH AND SPACEING:0.0035"/0.0039" | PCB SHALL BE Pb FREE & RoHS COMPLAINT. | ALL UNCONNECTED VIA'S SHALL BE SUPPRESSED IN ALL INTERNAL LAYERS. | FINISHED BOARD THICKNESS :0.063"+/-10% | V-GROOVE | DETAIL-A
User.6: RoHS EXEMPT | 1243/1443-EVM | CAUTION HOT SURFACE | PROC010 REV A | U10 | L5 | U1 | U2 | U12 | U11 | D3 | FB2 | FB1 | J1 | TP1 | TP2 | Y1 | P1 | SW1 | SW2 | U3 | U4 | P4 | P3 | P2 | DS2 | DS3 | DS1 | Q1 | DS4 | F1 | J2 | P5 | P6 | J3 | 1 | 3 | HD_CONN | GND | GPIO1 | NRST | SOP1 | SOP0 | SOP2 | 5V | NERR_OUT | 5V_IN | CAN_L | CAN_H | USB
User.10: PROC048 | TEXAS INSTRUMENTS
User.25: GROUND-PLANE-04 | 12
User.26: BOARD OUTLINE
User.28: INNER-SIGNAL-02 | 11
User.37: 06 | 05 | 02 | 03 | 04 | EDGE COUPLED STRIPLINE | EDGE COUPLED MICROSTRIP | L3/L8 | L1/L10 | 5.5 | 4.2 | 3.5 | 4 | - | 8 | 4.5 | 6 | 90 | 100 | 50 | L2/L9 | L2/L4,L7/L9
User.38: 0.005 | 0.0037 | 1oz. | L08 | L09 | POWER-PLANE-2 | GROUND-PLANE-2 | INNER-SIGNAL-2 | GROUND-PLANE-4
User.41: FIGURE | SIZE | 8.0 | 34.0 | 36.0 | 40.0 | 66.0 | 72.0 | 88.0 | 128.0 | 170.0 | 52.0x24.0 | 120.0x30.0 | 140.0x40.0 | 230.0x170.0 | DRILL CHART: TOP to BOTTOM | ALL UNITS ARE IN MILS | TOLERANCE | +3.0/-3.0 | PLATED | NON-PLATED | QTY | 1382 | 4 | 10 | 15 | 2 | 3 | 1
